# KiCad board iMX6_BareBones.kicad_pcb (continued)
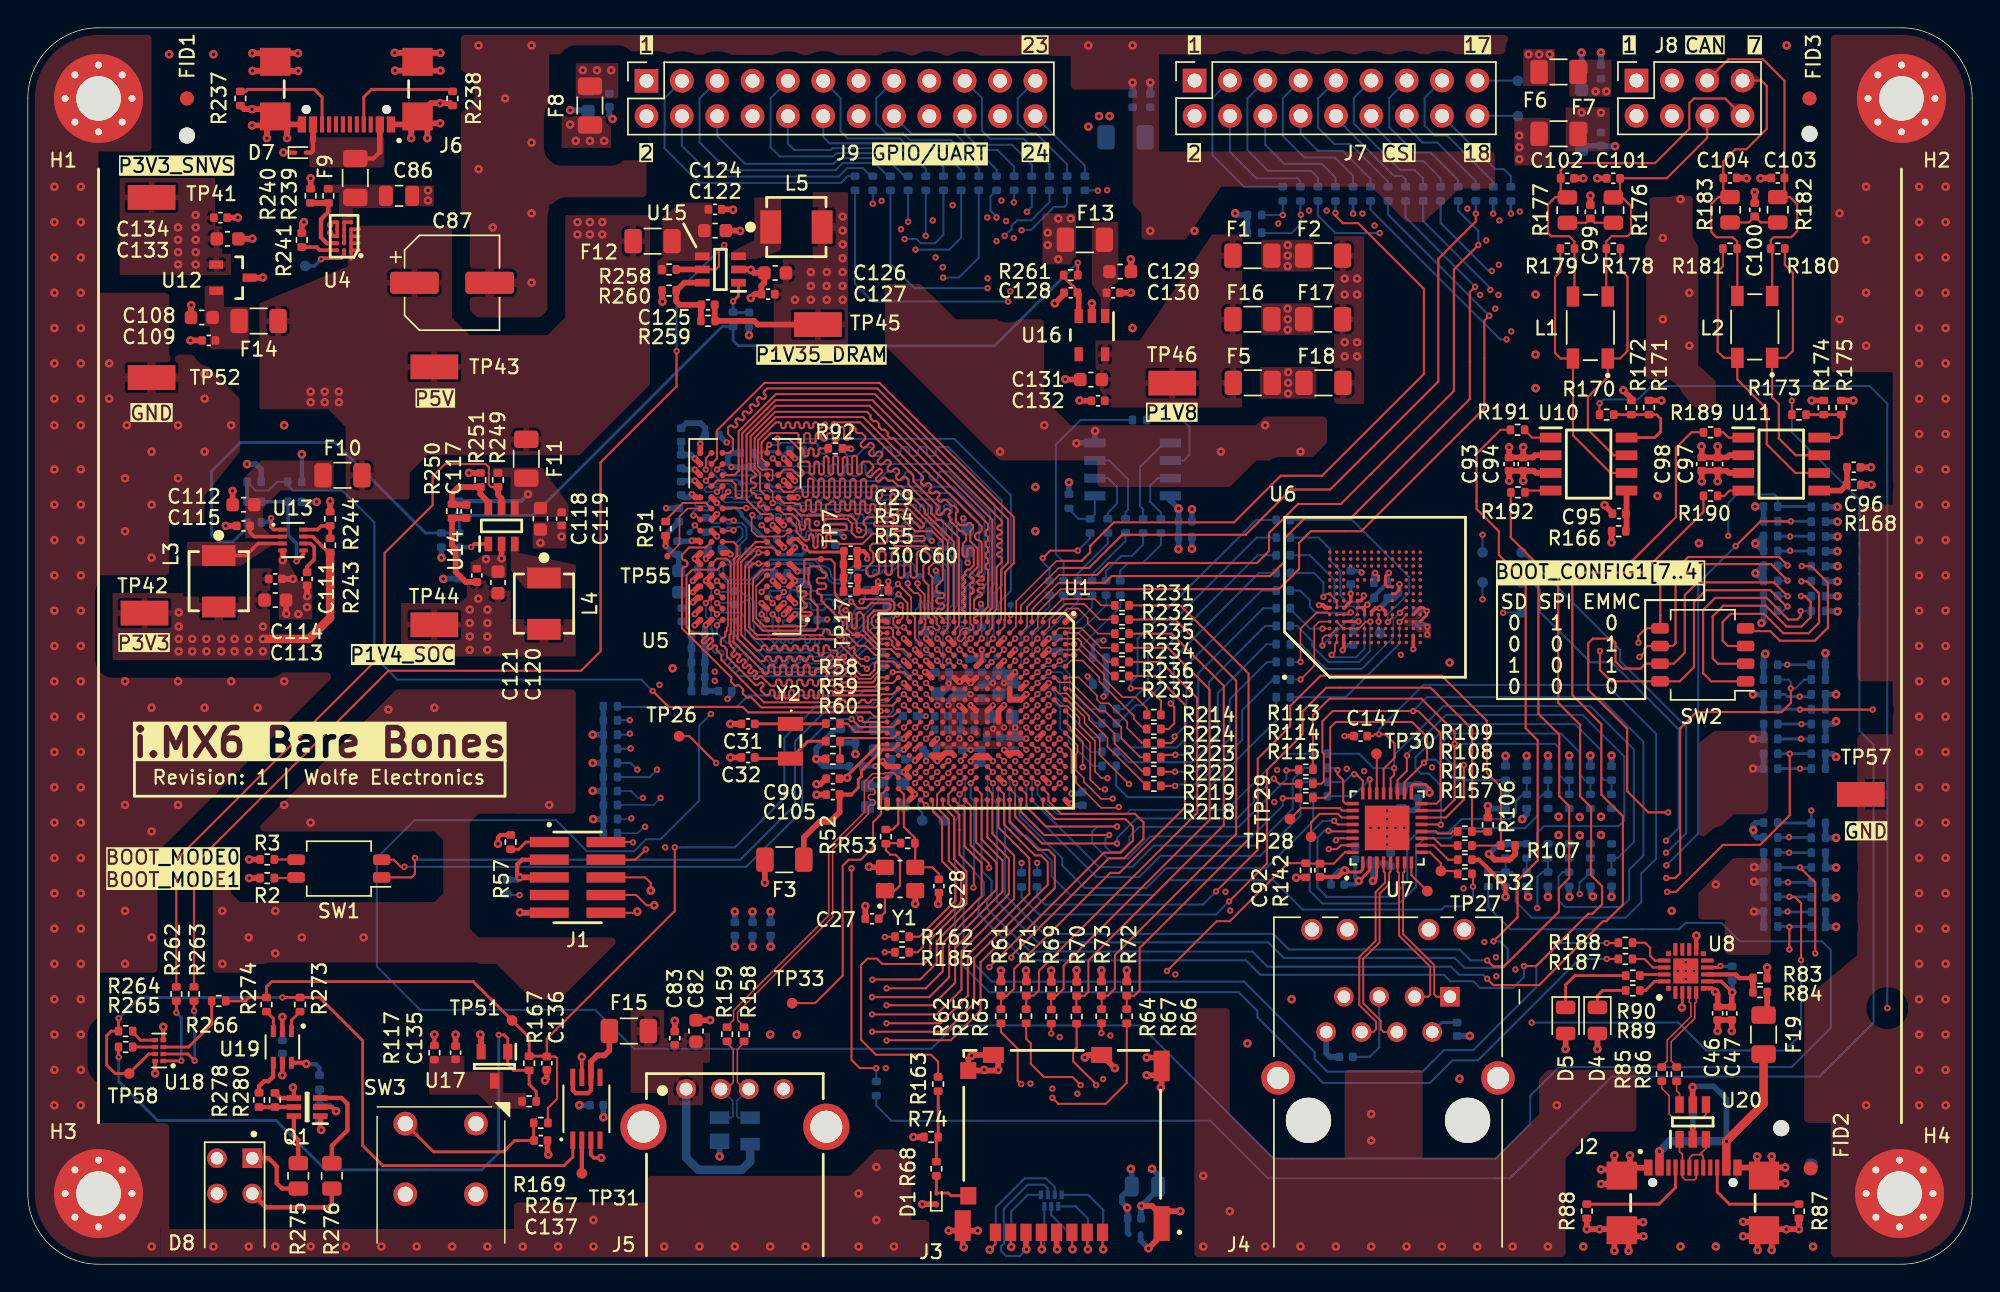
[diagram p0: board, top side]
## Routing (per net, layer and track width the routed paths; a pad name or vN(x,y) marks a point on that pad's centre or on a via; arc(x,y) is an arc through that point) (continued)
/Signal_Map/DRAM_DDR3L/DRAM_D15: length 20
  Top w0.143: v1(62.57,48.17) 63.2,47.53 63.2,46.33 U1.R1 ; U5.A3 v1(52.72,46.74)
  Bottom w0.114: 53.12,47.05 53.12,46.5
  Bottom w0.143: 53.12,47.05 53.04,47.13 52.81,47.13 52.72,47.03 v1(52.72,46.74) 52.71,46.73 ; v1(62.57,48.17) 62.09,47.7 61.1,47.7 59.32,45.91 59.01,45.91 58.07,44.97 58.07,44.97 57.97,44.87 57.35,44.87 arc(57.25,44.91) 57.21,45 57.21,45.03 arc(57.17,45.13) 57.08,45.17 57.01,45.17 arc(56.91,45.13) 56.87,45.03 56.87,44.7 arc(56.83,44.61) 56.74,44.57 56.67,44.57 arc(56.57,44.61) 56.53,44.7 56.53,45.03 arc(56.49,45.13) 56.4,45.17 56.33,45.17 arc(56.23,45.13) 56.19,45.03 56.19,44.77 arc(56.17,44.7) 56.09,44.67 55.95,44.67 arc(55.88,44.7) 55.85,44.77 55.85,45.03 arc(55.81,45.13) 55.72,45.17 55.65,45.17 arc(55.55,45.13) 55.51,45.03 55.51,45 arc(55.47,44.91) 55.38,44.87 55.05,44.87 arc(54.98,44.84) 54.95,44.77 arc(54.92,44.7) 54.85,44.67 54.77,44.67 arc(54.7,44.7) 54.67,44.77 arc(54.64,44.84) 54.57,44.87 54.48,44.87 arc(54.41,44.84) 54.38,44.77 arc(54.35,44.7) 54.28,44.67 54.2,44.67 arc(54.13,44.7) 54.1,44.77 arc(54.07,44.84) 54,44.87 53.91,44.87 arc(53.84,44.84) 53.81,44.77 arc(53.78,44.7) 53.71,44.67 53.63,44.67 arc(53.55,44.7) 53.53,44.77 arc(53.5,44.84) 53.43,44.87 53.37,44.87 53.22,45.02 53.22,45.48 52.91,45.78 52.76,45.78 52.61,45.93 52.61,46.21 52.69,46.29 52.91,46.29 53.12,46.49 53.12,46.5
/Signal_Map/DRAM_DDR3L/DRAM_DQM0: length 27
  Top w0.114: 50.25,45.71 50.25,45.81 50.3,45.86 50.3,49.15 U5.E7
  Top w0.143: U1.T7 62.14,40.98 61.35,40.98 61.27,40.91 57.99,40.91 arc(57.89,40.95) 57.85,41.05 57.85,41.09 arc(57.81,41.18) 57.71,41.23 57.64,41.23 arc(57.54,41.18) 57.5,41.09 57.5,40.8 arc(57.47,40.72) 57.39,40.69 57.26,40.69 arc(57.19,40.72) 57.15,40.8 57.15,41.14 arc(57.11,41.23) 57.01,41.28 56.94,41.28 arc(56.84,41.23) 56.8,41.14 56.8,40.8 arc(56.77,40.72) 56.69,40.69 56.56,40.69 arc(56.49,40.72) 56.45,40.8 56.45,41.14 arc(56.41,41.23) 56.31,41.28 56.24,41.28 arc(56.14,41.23) 56.1,41.14 56.1,40.8 arc(56.07,40.72) 55.99,40.69 55.86,40.69 arc(55.79,40.72) 55.75,40.8 55.75,41.14 arc(55.71,41.23) 55.61,41.28 55.54,41.28 arc(55.44,41.23) 55.4,41.14 55.4,40.8 arc(55.37,40.72) 55.29,40.69 55.16,40.69 arc(55.09,40.72) 55.05,40.8 55.05,41.14 arc(55.01,41.23) 54.91,41.28 54.84,41.28 arc(54.74,41.23) 54.7,41.14 54.7,40.8 arc(54.67,40.72) 54.59,40.69 54.46,40.69 arc(54.39,40.72) 54.35,40.8 54.35,41.14 arc(54.31,41.23) 54.21,41.28 54.14,41.28 arc(54.04,41.23) 54,41.14 54,40.8 arc(53.97,40.72) 53.89,40.69 53.76,40.69 arc(53.69,40.72) 53.65,40.8 53.65,41.14 arc(53.61,41.23) 53.51,41.28 53.44,41.28 arc(53.34,41.23) 53.3,41.14 53.3,41.05 arc(53.26,40.95) 53.16,40.91 53.02,40.91 52.7,41.23 arc(52.66,41.32) 52.7,41.42 52.82,41.54 arc(52.86,41.64) 52.82,41.74 52.77,41.78 arc(52.68,41.82) 52.58,41.78 52.46,41.66 arc(52.36,41.62) 52.26,41.66 50.22,43.7 50.22,44.19 50.12,44.29 arc(50.08,44.41) 49.95,44.46 arc(49.83,44.51) 49.78,44.63 49.78,44.87 arc(49.83,44.99) 49.95,45.04 arc(50.08,45.09) 50.12,45.21 50.12,45.46 50.25,45.58 50.25,45.71
/Signal_Map/DRAM_DDR3L/DRAM_DQM1: length 19.8
  Top w0.114: 60.85,45.78 60.85,45.79 60.64,46 60.64,46.45 60.9,46.71 61.89,46.71 62.26,47.09 62.26,47.13
  Top w0.143: 60.85,45.78 61.98,45.78 62.16,45.6 62.16,45.13 62.54,44.75 U1.T3 ; U5.D3 v1(52.72,48.34) ; 62.26,47.13 62.26,47.56 62.01,47.81 60.05,47.81 v1(59.9,47.66)
  Bottom w0.114: 54.87,48.73 53.11,48.73 v1(52.72,48.34) 52.6,48.22
  Bottom w0.143: 54.87,48.73 55.28,48.73 55.59,48.42 arc(55.66,48.39) 55.7,48.31 arc(55.73,48.24) 55.81,48.2 56.13,48.2 arc(56.2,48.24) 56.24,48.31 arc(56.27,48.39) 56.35,48.42 56.67,48.42 56.98,48.12 59.55,48.12 60.13,48.7 60.76,48.7 60.97,48.5 60.97,48.35 60.89,48.27 60.26,48.27 60.13,48.14 60.13,47.89 v1(59.9,47.66)
/Signal_Map/DRAM_DDR3L/DRAM_ODT: length 38.1
  Top w0.143: U1.N1 64.94,46.3 64.71,46.54 64.71,48.83 64.34,49.2 64.34,50.22 64.82,50.7 64.82,50.93 64.49,51.26 64.05,51.26 arc(63.93,51.2) 63.87,51.08 63.87,49.54 arc(63.82,49.41) 63.69,49.36 63.6,49.36 arc(63.48,49.41) 63.42,49.54 63.42,51.08 arc(63.37,51.2) 63.24,51.26 63.15,51.26 arc(63.03,51.2) 62.97,51.08 62.97,49.54 arc(62.92,49.41) 62.79,49.36 62.7,49.36 arc(62.58,49.41) 62.52,49.54 62.52,51.08 arc(62.47,51.2) 62.34,51.26 62.25,51.26 arc(62.13,51.2) 62.07,51.08 62.07,49.74 arc(62.02,49.61) 61.89,49.56 61.8,49.56 arc(61.68,49.61) 61.62,49.74 61.62,51.08 arc(61.57,51.2) 61.44,51.26 61.26,51.26 61.16,51.16 61.16,49.76 61,49.59 60.88,49.59 60.77,49.48 60.45,49.48 60.25,49.68 60.25,50.04 60.75,50.54 60.75,51.14 60.5,51.38 60.5,51.61 60.71,51.82 61.59,51.82 61.75,51.97 61.75,52.4 61.62,52.53 60.71,52.53 59.97,51.79 58.34,51.79 58.09,52.04 57.81,52.04 arc(57.72,52.08) 57.68,52.17 57.68,52.35 arc(57.64,52.44) 57.56,52.47 57.5,52.47 arc(57.41,52.44) 57.37,52.35 57.37,51.64 arc(57.33,51.55) 57.25,51.51 57.19,51.51 arc(57.1,51.55) 57.06,51.64 57.06,52.35 arc(57.02,52.44) 56.94,52.47 56.88,52.47 arc(56.79,52.44) 56.75,52.35 56.75,51.64 arc(56.71,51.55) 56.63,51.51 56.56,51.51 arc(56.48,51.55) 56.44,51.64 56.44,52.35 arc(56.4,52.44) 56.32,52.47 56.25,52.47 arc(56.17,52.44) 56.13,52.35 56.13,52.17 arc(56.09,52.08) 56.01,52.04 55.82,52.04 55.23,52.64 55.23,53.03 U5.K1
/Signal_Map/DRAM_DDR3L/DRAM_SDQS0_N: length 22.5
  Top w0.132: U1.P7 v1(63.74,41.79) ; v1(60.28,42.81) 60.07,43.02 59.9,43.02 57.97,44.95 52.27,44.95 51.53,45.7 51.53,50.19 v1(52.51,51.17) 53.09,51.17 U5.G3
  Bottom w0.132: 51.85,51.17 51.75,51.27 ; v1(60.28,42.81) 60.71,43.24 60.82,43.24 60.86,43.28 61.01,43.28 61.34,42.94 C56.2 61.4,42.94 61.74,43.28 62.08,43.28 63.32,42.04 63.49,42.04 v1(63.74,41.79) ; v1(52.51,51.17) 52.41,51.27 C54.2
/Signal_Map/DRAM_DDR3L/DRAM_SDQS0_P: length 22.4
  Top w0.132: v1(60.28,43.52) 59.8,43.52 59.37,43.95 arc(59.34,44.03) 59.37,44.11 59.4,44.14 arc(59.44,44.22) 59.4,44.3 59.37,44.33 arc(59.29,44.37) 59.21,44.33 59.18,44.3 arc(59.1,44.27) 59.02,44.3 58.98,44.34 arc(58.95,44.42) 58.98,44.5 59.02,44.53 arc(59.05,44.61) 59.02,44.68 58.98,44.72 arc(58.9,44.76) 58.82,44.72 58.79,44.69 arc(58.71,44.66) 58.63,44.69 58.59,44.73 arc(58.56,44.81) 58.59,44.89 58.63,44.92 arc(58.66,45) 58.63,45.07 58.59,45.11 arc(58.51,45.14) 58.43,45.11 58.4,45.08 arc(58.32,45.05) 58.24,45.08 58.08,45.24 57.81,45.24 arc(57.68,45.29) 57.62,45.42 57.62,45.46 arc(57.57,45.59) 57.44,45.65 57.35,45.65 arc(57.22,45.59) 57.16,45.46 57.16,45.42 arc(57.11,45.29) 56.98,45.24 52.39,45.24 51.81,45.82 51.81,50.07 52.12,50.38 v1(52.51,50.38) 53.07,50.38 U5.F3 ; v1(63.74,42.57) 64.12,42.19 U1.P6
  Bottom w0.132: C54.1 52.43,50.31 v1(52.51,50.38) ; v1(60.28,43.52) 60.72,43.52 60.76,43.56 61.01,43.56 61.34,43.9 C56.1 61.4,43.9 61.74,43.56 62.19,43.56 63.44,42.32 63.49,42.32 v1(63.74,42.57) ; 51.82,50.38 51.75,50.31
/Signal_Map/DRAM_DDR3L/DRAM_SDQS1_N: length 20.1
  Top w0.132: v1(62.47,46.72) 62.19,46.44 62.19,46.04 62.4,45.83 62.44,45.83 62.54,45.73 U1.T2 ; U5.B7 v1(49.52,47.54)
  Bottom w0.132: v1(62.47,46.72) 62.18,46.72 C57.2 61.67,46.24 61.25,46.67 60.88,46.67 60.65,46.43 60.65,46.25 58.07,43.67 56.46,43.67 56.14,43.99 53.11,43.99 51.88,45.22 51.88,47.55 51.66,47.77 51.53,47.77 51.2,47.44 C55.2 50.5,47.44 50.37,47.56 49.54,47.56 v1(49.52,47.54)
/Signal_Map/DRAM_DDR3L/DRAM_SDQS1_P: length 20.5
  Top w0.132: U1.T1 62.86,46.51 62.86,47.24 v1(62.72,47.38) ; U5.C7 v1(49.52,48.34)
  Bottom w0.132: v1(62.72,47.38) 61.88,47.38 C57.1 61.67,47.2 61.42,46.95 60.76,46.95 60.36,46.55 60.36,46.37 59.26,45.27 arc(59.17,45.23) 59.09,45.27 arc(59,45.3) 58.92,45.27 58.85,45.2 arc(58.81,45.11) 58.85,45.03 arc(58.88,44.94) 58.85,44.86 58.78,44.79 arc(58.69,44.75) 58.61,44.79 arc(58.52,44.82) 58.44,44.79 58.37,44.71 arc(58.33,44.63) 58.37,44.54 arc(58.4,44.46) 58.37,44.38 57.95,43.96 56.57,43.96 56.25,44.28 53.22,44.28 52.17,45.33 52.17,47.67 51.78,48.06 51.53,48.06 51.2,48.4 C55.1 50.5,48.4 50.43,48.32 50.41,48.34 v1(49.52,48.34)
/Signal_Map/DRAM_DDR3L/DRAM_ZQ: length 4.1
  Top w0.143: U5.L8 48.72,54.74 47.06,54.74 45.83,53.5 R91.1
/Signal_Map/DRAM_DDR3L/~{DRAM_CAS}: length 38.3
  Top w0.143: U1.J2 68.5,45.75 68.5,46.79 68.99,47.28 68.99,49.89 arc(68.97,49.95) 68.91,49.97 arc(68.85,50) 68.82,50.06 68.82,50.29 arc(68.85,50.35) 68.91,50.37 arc(68.97,50.4) 68.99,50.46 68.99,50.69 arc(68.97,50.75) 68.91,50.77 arc(68.85,50.8) 68.82,50.86 68.82,51.09 arc(68.85,51.15) 68.91,51.17 arc(68.97,51.2) 68.99,51.26 68.99,51.49 arc(68.97,51.55) 68.91,51.57 arc(68.85,51.6) 68.82,51.66 68.82,51.89 arc(68.85,51.95) 68.91,51.97 arc(68.97,52) 68.99,52.06 68.99,52.29 arc(68.97,52.35) 68.91,52.37 arc(68.85,52.4) 68.82,52.46 68.82,52.69 arc(68.85,52.75) 68.91,52.77 arc(68.97,52.8) 68.99,52.86 68.99,53.21 60.48,61.72 53.73,61.72 51.64,59.63 51.64,54.97 52.67,53.94 53.4,53.94 53.52,53.82 53.52,53.67 53.38,53.54 U5.K3
/Signal_Map/DRAM_DDR3L/~{DRAM_CS0}: length 38.1
  Top w0.114: 65.3,46.43 65.31,46.42 65.31,46.04 65.51,45.83 65.51,45.71 65.39,45.58 65.26,45.58 65.01,45.83 64.75,45.83 64.67,45.76 64.67,45.65 U1.N2
  Top w0.143: U5.L2 54.32,53.94 54.92,53.94 55.43,53.43 55.43,53.17 55.47,53.13 55.47,52.9 55.56,52.82 55.73,52.82 55.84,52.92 55.84,53.48 55.94,53.58 56.09,53.58 56.17,53.5 56.17,52.92 56.32,52.77 58.39,52.77 58.42,52.8 58.74,52.8 58.83,52.88 58.83,53.06 58.7,53.19 57.3,53.19 57.2,53.29 57.2,53.52 57.27,53.59 58.87,53.59 59.2,53.26 59.2,52.58 59.51,52.27 59.96,52.27 60.23,52.53 60.23,52.86 ; 65.3,46.43 64.98,46.75 64.99,46.76 64.99,49.4 64.73,49.66 64.73,50.08 65.07,50.42 65.25,50.42 65.41,50.57 65.41,51.33 65.23,51.51 65.22,51.51 64.74,51.51 64.62,51.62 62.32,51.62 62.23,51.71 62.23,51.84 arc(62.27,51.94) 62.38,51.98 64.29,51.98 arc(64.4,52.03) 64.44,52.13 64.44,52.21 arc(64.4,52.31) 64.29,52.35 62.38,52.35 arc(62.27,52.4) 62.23,52.5 62.23,52.59 arc(62.27,52.69) 62.36,52.73 62.92,52.73 arc(63.01,52.76) 63.05,52.86 63.05,52.92 arc(63.01,53.02) 62.92,53.06 60.94,53.06 arc(60.85,53.09) 60.81,53.19 60.81,53.25 arc(60.85,53.35) 60.94,53.39 62.1,53.39 arc(62.19,53.42) 62.23,53.52 62.23,53.59 62.1,53.72 60.32,53.72 60.05,53.44 60.05,53.21 60.22,53.04 60.22,52.86
/Signal_Map/DRAM_DDR3L/~{DRAM_RAS}: length 35
  Top w0.143: U5.J3 v1(52.72,53.14) ; U1.M5 v1(65.34,43.39)
  Bottom w0.114: 65.39,47.18 65.37,47.17 65.01,47.17 arc(64.93,47.2) 64.89,47.28 64.89,47.49 arc(64.86,47.57) 64.78,47.61 64.72,47.61 arc(64.64,47.57) 64.6,47.49 64.6,47.28 arc(64.57,47.2) 64.49,47.17 64.43,47.17 arc(64.35,47.2) 64.31,47.28 64.31,47.49 arc(64.28,47.57) 64.2,47.61 64.14,47.61 arc(64.06,47.57) 64.02,47.49 64.02,47.28 arc(63.99,47.2) 63.91,47.17 63.78,47.04 63.78,44.77 64.14,44.41 64.14,44.04 64.38,43.8 64.93,43.8 v1(65.34,43.39)
  Bottom w0.143: 65.39,47.18 65.9,47.69 65.9,49.92 64.37,51.45 63.77,51.45 63.3,51.91 63.3,53.02 63.05,53.28 62.94,53.28 arc(62.84,53.24) 62.8,53.14 62.8,52.41 arc(62.76,52.31) 62.66,52.28 62.6,52.28 arc(62.5,52.31) 62.46,52.41 62.46,53.14 arc(62.42,53.24) 62.32,53.28 62.26,53.28 arc(62.16,53.24) 62.12,53.14 62.12,52.41 arc(62.08,52.31) 61.98,52.28 61.92,52.28 arc(61.82,52.31) 61.78,52.41 61.78,53.14 arc(61.74,53.24) 61.64,53.28 61.58,53.28 arc(61.48,53.24) 61.44,53.14 61.44,52.41 arc(61.4,52.31) 61.3,52.28 61.24,52.28 arc(61.14,52.31) 61.1,52.41 61.1,53.14 arc(61.06,53.24) 60.96,53.28 59.34,53.28 arc(59.24,53.24) 59.2,53.14 59.2,52.86 arc(59.16,52.76) 59.06,52.73 59,52.73 arc(58.9,52.76) 58.86,52.86 58.86,53.14 arc(58.82,53.24) 58.72,53.28 57.64,53.28 57.23,52.86 57.23,52.86 57.1,52.73 56.76,52.73 arc(56.66,52.69) 56.62,52.59 56.62,52.38 arc(56.58,52.28) 56.48,52.24 56.41,52.24 arc(56.31,52.28) 56.27,52.38 56.27,52.59 arc(56.23,52.69) 56.13,52.73 56.06,52.73 arc(55.96,52.69) 55.92,52.59 55.92,52.38 arc(55.88,52.28) 55.78,52.24 55.71,52.24 arc(55.61,52.28) 55.57,52.38 55.57,52.59 arc(55.53,52.69) 55.43,52.73 53.12,52.73 v1(52.72,53.14)
/Signal_Map/DRAM_DDR3L/~{DRAM_RESET}: length 37.5
  Top w0.143: U1.G4 v1(70.14,44.19) ; U5.T2 53.92,59.26 53.86,59.32 v1(53.86,59.36) 53.87,59.35 54.69,59.35 55.38,58.66 55.59,58.66 arc(55.69,58.62) 55.73,58.52 55.73,58.23 arc(55.77,58.13) 55.87,58.09 55.95,58.09 arc(56.05,58.13) 56.09,58.23 56.09,58.52 arc(56.13,58.62) 56.23,58.66 56.31,58.66 arc(56.41,58.62) 56.45,58.52 56.45,58.23 arc(56.49,58.13) 56.59,58.09 56.67,58.09 arc(56.77,58.13) 56.81,58.23 56.81,58.52 arc(56.85,58.62) 56.95,58.66 R92.1
  Bottom w0.114: v1(70.14,44.19) 70.05,44.19 69.75,44.49 69.75,46.82
  Bottom w0.143: v1(53.86,59.36) 53.87,59.35 66.56,59.35 70.64,55.27 70.64,48.41 69.75,47.53 69.75,46.82
/Signal_Map/DRAM_DDR3L/~{DRAM_SDWE}: length 38.5
  Top w0.143: U5.L3 52.91,54.55 arc(52.82,54.58) 52.74,54.55 52.69,54.5 arc(52.61,54.46) 52.53,54.5 52.49,54.54 arc(52.46,54.62) 52.49,54.7 52.69,54.9 arc(52.72,54.97) 52.69,55.04 52.63,55.1 arc(52.56,55.13) 52.49,55.1 arc(52.42,55.07) 52.35,55.1 52.31,55.15 52.31,55.29 arc(52.26,55.39) 52.15,55.44 52.11,55.44 arc(52,55.48) 51.96,55.59 51.96,55.67 arc(52,55.77) 52.11,55.82 52.15,55.82 arc(52.26,55.86) 52.31,55.97 52.31,56.05 arc(52.26,56.15) 52.15,56.2 52.11,56.2 arc(52,56.24) 51.96,56.35 51.96,56.43 arc(52,56.53) 52.11,56.58 52.15,56.58 arc(52.26,56.62) 52.31,56.73 52.31,56.81 51.93,57.18 51.93,59.52 53.7,61.29 60.3,61.29 60.54,61.05 arc(60.57,60.99) 60.54,60.93 arc(60.52,60.88) 60.54,60.82 60.74,60.62 arc(60.8,60.6) 60.85,60.62 arc(60.91,60.65) 60.97,60.62 61.17,60.42 arc(61.19,60.37) 61.17,60.31 arc(61.14,60.25) 61.17,60.2 61.36,60 arc(61.42,59.98) 61.48,60 arc(61.53,60.02) 61.59,60 61.79,59.8 arc(61.81,59.74) 61.79,59.69 arc(61.76,59.63) 61.79,59.58 61.99,59.38 arc(62.04,59.35) 62.1,59.38 arc(62.16,59.4) 62.21,59.38 68.54,53.05 68.54,52.83 arc(68.47,52.67) 68.31,52.61 68.29,52.61 arc(68.13,52.54) 68.07,52.38 68.07,52.27 arc(68.13,52.11) 68.29,52.05 68.31,52.05 arc(68.47,51.98) 68.54,51.82 68.54,49.85 arc(68.5,49.77) 68.42,49.74 68.35,49.74 arc(68.27,49.7) 68.24,49.62 68.24,49.57 arc(68.27,49.48) 68.35,49.45 68.61,49.45 arc(68.66,49.43) 68.69,49.38 68.69,49.24 arc(68.66,49.19) 68.61,49.17 68.35,49.17 arc(68.27,49.13) 68.24,49.05 68.24,48.99 arc(68.27,48.91) 68.35,48.88 68.61,48.88 arc(68.66,48.86) 68.69,48.81 68.69,48.67 arc(68.66,48.62) 68.61,48.59 68.35,48.59 arc(68.27,48.56) 68.24,48.48 68.24,48.42 arc(68.27,48.34) 68.35,48.31 68.42,48.31 arc(68.5,48.28) 68.54,48.2 68.54,48.12 68.4,47.99 68.25,47.99 67.98,47.72 67.98,47.22 arc(68.02,47.13) 68.11,47.1 arc(68.19,47.06) 68.23,46.97 68.23,46.69 arc(68.19,46.6) 68.11,46.57 arc(68.02,46.53) 67.98,46.44 67.98,46.35 U1.J1
/Signal_Map/eMMC/eMMC_CLK: length 11.7
  Top w0.114: U6.M6 98.95,47.2 v1(98.58,46.84)
  Bottom w0.114: v1(98.58,46.84) 98.1,46.36 98.1,45.07 96.62,43.59
  Bottom w0.143: R212.1 91.47,44.58 93.24,42.8 95.83,42.8 96.62,43.59
/Signal_Map/eMMC/eMMC_CLK_R: length 17.1
  Bottom w0.143: 89.69,44.58 89,44.58 85.5,41.07 85.5,37.95 83.64,36.09 79.12,36.09 ; 79.11,36.11 78.37,36.84 R216.2
/Signal_Map/eMMC/eMMC_CMD: length 11.7
  Top w0.114: v1(98.55,46.18) 99.04,46.67 U6.M5
  Bottom w0.114: 98.55,44.63 v1(98.55,46.18)
  Bottom w0.143: R211.1 94.69,40.77 98.55,44.63
/Signal_Map/eMMC/eMMC_CMD_R: length 17.2
  Bottom w0.114: 89.69,40.77 89.69,40.44
  Bottom w0.143: 89.69,40.44 89.69,39.1 84.18,33.58 79.02,33.58 ; R215.2 78.2,34.4 79.01,33.59
/Signal_Map/eMMC/eMMC_DATA0: length 3.5
  Top w0.114: v1(93.01,45.69) 93.02,45.7 U6.A3 93.53,45.69
  Bottom w0.143: R203.2 90.71,47.11 92.13,45.69 v1(93.01,45.69)
/Signal_Map/eMMC/eMMC_DATA0_R: length 18.1
  Bottom w0.143: 78.84,37.52 79.2,37.16 82.55,37.16 84.1,38.71 84.1,42.49 88.77,47.16 89.69,47.16 ; R217.2 78.47,37.88 78.83,37.53
/Signal_Map/eMMC/eMMC_DATA1: length 6.2
  Top w0.114: U6.A4 93.54,46.2 92.79,46.2 92.43,45.85 92.43,43.03 v1(91.44,42.04)
  Bottom w0.114: R204.2 v1(91.44,42.04)
/Signal_Map/eMMC/eMMC_DATA1_R: length 12.7
  Top w0.143: v1(82.42,34.39) 81.41,34.39
  Bottom w0.114: 89.69,42.04 89.46,42.04
  Bottom w0.143: v1(82.42,34.39) 82.52,34.49 84.05,34.49 87.25,37.69 87.25,39.83 89.46,42.04
/Signal_Map/eMMC/eMMC_DATA2: length 5.8
  Top w0.114: v1(91.44,43.31) 91.44,45.69 92.61,46.86 93.38,46.86 U6.A5
  Bottom w0.114: R205.2 v1(91.44,43.31)
/Signal_Map/eMMC/eMMC_DATA2_R: length 13.2
  Top w0.143: v1(82.42,35.41) 81.43,35.41 R219.2
  Bottom w0.143: 89.69,43.31 89.05,43.31 86.36,40.61 86.36,37.8 83.97,35.41 v1(82.42,35.41)
/Signal_Map/eMMC/eMMC_DATA3: length 16
  Top w0.114: U6.B2 U6.B1 93.93,44.59 93.93,44.07 v1(93.68,43.81)
  Bottom w0.114: 96.04,46.51 96.04,45.67
  Bottom w0.143: v1(93.68,43.81) 93.85,43.64 95.43,43.64 96.04,44.25 96.04,45.67 ; 96.04,46.51 96.04,46.96 95.38,47.62 94.79,47.62 94.31,48.11 94.31,49.86 93.57,50.6 93.57,51.41 92.74,52.24 R206.2
/Signal_Map/eMMC/eMMC_DATA3_R: length 18.2
  Bottom w0.143: 78.68,39.92 R220.2 ; 78.69,39.9 80.49,41.71 80.49,44.45 88.29,52.24 R206.1
/Signal_Map/eMMC/eMMC_DATA4: length 13
  Top w0.114: v1(93.01,44.48) 93.01,45.01 93.21,45.2 U6.A2 U6.B3
  Bottom w0.114: 94.77,47.29 95.25,47.29 95.53,47.02 95.53,46.74 95.07,46.28 94.82,46.28 94.59,46.05
  Bottom w0.143: R207.2 92.1,50.97 93.88,49.2 93.88,47.62 94.21,47.29 94.77,47.29 ; v1(93.01,44.48) 94.59,46.05
/Signal_Map/eMMC/eMMC_DATA4_R: length 17.9
  Bottom w0.143: R221.2 78.32,38.9 79.62,40.2 80.02,40.2 ; 80.04,40.18 81.36,41.5 81.36,43.97 88.36,50.97 89.69,50.97
/Signal_Map/eMMC/eMMC_DATA5: length 12.3
  Top w0.114: v1(96.45,46.2) 96.14,46.2 95.64,45.7 U6.C3 U6.B4
  Bottom w0.143: R208.2 91.19,45.89 92.28,44.81 92.28,44.45 93.42,43.31 95.66,43.31 96.44,44.09 96.44,46.19 v1(96.45,46.2)
/Signal_Map/eMMC/eMMC_DATA5_R: length 14.2
  Top w0.143: v1(82.45,36.63) 81.59,36.63 R222.2
  Bottom w0.143: 89.69,45.89 88.9,45.89 84.86,41.86 84.86,38.46 83.03,36.63 v1(82.45,36.63)
/Signal_Map/eMMC/eMMC_DATA6: length 6.3
  Top w0.114: v1(95.05,46.86) 94.89,46.7 U6.B5
  Bottom w0.143: v1(95.05,46.86) 95.02,46.84 92.56,46.84 92.13,47.27 92.13,47.73 91.42,48.43 R209.2
/Signal_Map/eMMC/eMMC_DATA6_R: length 15.4
  Top w0.143: R223.2 82.14,37.47 82.4,37.72 v1(82.4,37.95)
  Bottom w0.143: 89.69,48.43 88.64,48.43 83.24,43.03 83.24,38.79 v1(82.4,37.95)
/Signal_Map/eMMC/eMMC_DATA7: length 5.5
  Top w0.114: U6.B6 U6.B7 U6.A8 93.31,48.2 v1(93.09,47.98)
  Bottom w0.143: v1(93.09,47.98) 93.09,49.02 92.41,49.7 R210.2
/Signal_Map/eMMC/eMMC_DATA7_R: length 15.9
  Top w0.143: v1(82.12,40.31) 82.37,40.06 82.37,38.89 81.97,38.48 R224.2
  Bottom w0.143: 89.69,49.7 88.46,49.7 82.32,43.56 82.32,40.51 v1(82.12,40.31)
/Signal_Map/eMMC/eMMC_VDDI: length 2
  Top w0.254: v1(94.46,44.15) 94.54,44.23 U6.C1 U6.C2
  Bottom w0.254: C39.1 94.85,44.53 v1(94.46,44.15)
/Signal_Map/eMMC/~{eMMC_RST_R}: length 20.8
  Top w0.143: R214.2 81.41,40.51 80.52,41.4 v1(79.25,41.4)
  Bottom w0.143: 89.69,53.51 88.26,53.51 79.73,44.98 79.73,42.29 79.25,41.81 v1(79.25,41.4)
/Signal_Map/eMMC/~{eMMC_RST}: length 14.8
  Top w0.114: v1(97.71,46.18) 98.04,46.51 U6.K5
  Bottom w0.114: 99.24,49.43 99.24,48.26 97.71,46.74 v1(97.71,46.18)
  Bottom w0.143: R213.1 95.15,53.51 99.24,49.43
/Signal_Map/Ethernet/B-CAST_OFF: length 35.5
  Top w0.143: U7.19 98.41,34.81 99.09,35.48 v1(99.09,36.58)
  Bottom w0.143: R139.2 R138.1 108.43,29.94 108.43,30.99 108.94,31.5 114.3,31.5 114.71,31.9 114.71,36.5 111.71,39.5 101.9,39.5 99.09,36.68 v1(99.09,36.58)
/Signal_Map/Ethernet/CONFIG0: length 31.8
  Top w0.143: U7.28 94.11,31.62 v1(93.85,31.88)
  Bottom w0.143: R119.2 R118.1 108.87,33.79 108.48,33.4 108.48,32.26 107.57,31.34 102.92,31.34 102.21,30.63 100.36,30.63 99.75,30.02 99.75,27.15 98.53,25.93 93.01,25.93 92.1,26.85 92.1,30.94 93.04,31.88 v1(93.85,31.88)
/Signal_Map/Ethernet/CONFIG1: length 28
  Top w0.143: U7.29 93.49,31.12 v1(93.45,31.17)
  Bottom w0.152: 93.55,31.06 v1(93.45,31.17) 93.17,31.17 92.66,30.66 92.66,27.08 93.32,26.42 98.02,26.42 99.11,27.51 99.11,30.3 99.85,31.04 102.06,31.04 103.02,32 106.45,32 106.91,32.46 106.91,33.27 107.42,33.79 R120.1 R121.2
/Signal_Map/Ethernet/ENET1_MDC: length 55
  Top w0.143: v1(86.31,26.09) 89.03,28.8 89.03,35.53 91.59,38.1 91.59,39.75 93.29,41.45 100.79,41.45 103.76,38.48 R109.2 104.87,31.11 R106.1
  Bottom w0.143: v1(86.31,26.09) 85.37,25.15 72.64,25.15 71.4,26.39 R184.2
/Signal_Map/Ethernet/ENET1_MDIO: length 57.6
  Top w0.143: v1(85.37,26.8) 88.37,29.79 88.37,36.35 90.7,38.68 90.7,40.13 92.89,42.32 101.57,42.32 104.83,39.07 104.83,35.33 105.84,34.32 R107.1 R108.2
  Bottom w0.143: v1(85.37,26.8) 84.43,25.86 73.08,25.86 72.52,26.42 R164.2
/Signal_Map/Ethernet/ENET1_RX_D0: length 25.8
  Top w0.114: 70.94,33.1 70.94,33.79 U1.F16
  Top w0.143: v1(78.26,30.25) 72.87,30.25 70.94,32.18 70.94,33.1 ; v1(89.52,34.91) 89.64,34.8 89.66,34.8 89.92,34.54 R114.2
  Bottom w0.143: v1(89.52,34.91) 88.11,33.5 88.11,33.27 86.89,32.05 79.65,32.05 78.26,30.66 v1(78.26,30.25)
/Signal_Map/Ethernet/ENET1_RX_D1: length 26
  Top w0.143: U1.E17 71.34,32.54 73.03,30.86 v1(77.7,30.86) ; R113.2 91.26,35.51 v1(90.42,35.51)
  Bottom w0.143: v1(77.7,30.86) 77.42,30.58 77.42,30.02 77.8,29.64 78.49,29.64 79.15,30.3 79.15,30.73 79.86,31.45 87,31.45 90.42,34.87 v1(90.42,35.51)
/Signal_Map/Ethernet/ENET1_RX_EN: length 28.7
  Top w0.114: U1.E16 71.75,33.77 71.75,32.99
  Top w0.143: v1(78.26,31.47) 73.15,31.47 71.75,32.87 71.75,32.99 ; v1(90.17,33.5) 91.29,33.5 R115.2
  Bottom w0.143: v1(90.17,33.5) 90.17,32.97 87.96,30.76 80.64,30.76 79.07,29.18 77.57,29.18 76.48,30.28 76.48,31.11 76.84,31.47 v1(78.26,31.47)
/Signal_Map/Ethernet/ENET1_RX_ER: length 23.6
  Top w0.114: U1.D15 v1(72.54,34.59)
  Bottom w0.114: R116.2 90.17,36.7 86.13,32.66 79.22,32.66 78.92,32.36 73.94,32.36 72.54,33.76
  Bottom w0.143: v1(72.54,34.59) 72.54,33.76
/Signal_Map/Ethernet/ENET1_TX_CLK: length 44
  Top w0.114: U1.F14 v1(70.94,35.39)
  Top w0.143: v1(103.84,27.15) 103.84,27.99 R157.2
  Bottom w0.114: 70.99,35.39 v1(70.94,35.39) 70.54,34.98 70.54,33.86
  Bottom w0.143: 70.54,33.86 70.54,31.7 71.4,30.84 71.73,30.84 73.56,29.01 73.56,27.89 74.9,26.54 80.95,26.54 82.02,27.61 89.48,27.61 91.59,25.5 101.57,25.5 101.8,25.73 103.2,25.73 103.84,26.37 v1(103.84,27.15)
/Signal_Map/Ethernet/ENET1_TX_CLK_R: length 3.6
  Top w0.143: U7.9 100.73,29.62 101.52,28.83 TP32.1 102.54,28.27 102.74,28.07
/Signal_Map/Ethernet/ENET1_TX_D0: length 29.1
  Top w0.114: U1.E15 v1(71.74,34.59)
  Bottom w0.143: v1(71.74,34.59) 71.74,32.88 76.78,27.84 79.86,27.84 81.38,29.36 88.54,29.36 91.44,32.26 91.44,34.44 91.67,34.67 R111.2
/Signal_Map/Ethernet/ENET1_TX_D1: length 29.2
  Top w0.114: U1.E14 v1(71.74,35.39)
  Bottom w0.114: v1(71.74,35.39) 71.8,35.39 72.16,35.03 72.15,35.02 72.15,33.89 72.16,33.88
  Bottom w0.143: 72.16,33.88 72.16,33.35 76.96,28.55 79.35,28.55 80.9,30.1 88.24,30.1 90.88,32.74 90.88,34.85 91.72,35.69 R110.2
/Signal_Map/Ethernet/ENET1_TX_EN: length 30.4
  Top w0.114: U1.F15 v1(70.94,34.59)
  Bottom w0.114: 70.94,34.09 70.94,33.81 71.25,33.5
  Bottom w0.143: 71.25,33.5 71.25,32.26 74.32,29.18 74.32,28.68 75.95,27.05 80.37,27.05 81.79,28.47 88.98,28.47 92.35,31.85 R112.2 ; v1(70.94,34.59) 70.94,34.09
/Signal_Map/Ethernet/ENET_REXT: length 3
  Top w0.143: U7.10 101.02,30.12 102.06,29.08 102.74,29.08
/Signal_Map/Ethernet/ENET_RX_N: length 14.4
  Top w0.132: U7.4 97.41,28.24 97.52,28.14 97.52,27.44 96.83,26.75 96.83,23.25 95.67,22.08 95.67,18.64 96.88,17.43 96.88,16.89 96.68,16.69 J4.6
/Signal_Map/Ethernet/ENET_RX_P: length 14.6
  Top w0.132: U7.5 97.91,28.24 97.81,28.14 97.81,27.32 97.12,26.64 97.12,23.13 95.95,21.96 95.95,18.75 97.21,17.5 97.21,16.89 97.4,16.69 J4.4
/Signal_Map/Ethernet/ENET_TX_N: length 11.7
  Top w0.132: U7.6 98.41,28.24 98.52,28.14 98.52,23.63 100.76,21.39 100.76,19.38 100.61,19.23 J4.3
/Signal_Map/Ethernet/ENET_TX_P: length 11.7
  Top w0.132: U7.7 98.91,28.24 98.81,28.14 98.81,23.75 101.05,21.51 101.05,19.4 101.21,19.23 J4.1
/Signal_Map/Ethernet/ENET_VDD: length 4.5
  Top w0.203: v2(95.63,27.56) 95.66,27.56 96.41,28.32 U7.2
  Bottom w0.305: 95.38,29.11 95.38,27.81 v2(95.63,27.56) 95.38,27.31 C79.1
/Signal_Map/Ethernet/LED0_NWAYEN: length 23.3
  Top w0.143: U7.30 94.12,30.62
  Top w0.152: 94.12,30.62 v1(93.98,30.48)
  In3.Cu w0.152: v1(108.46,25.6) 108.46,25.37 107.15,24.06 J4.9 98.78,28.47 95.99,28.47 v1(93.98,30.48)
  Bottom w0.143: v1(108.46,25.6) 108.46,27.84 108.81,28.19 R137.2 R136.1
/Signal_Map/Ethernet/LED1_SPEED: length 30.5
  Top w0.143: v1(93.47,29.84) 94.06,29.84 94.33,30.12 U7.31
  In3.Cu w0.152: v1(93.47,29.84) 93.47,25.39 J4.11 96.24,22.63 108.38,22.63 111.51,25.76 v1(111.51,26.62)
  Bottom w0.143: R132.1 R133.2 111.48,27.41 111.48,26.64 v1(111.51,26.62)
